# Altium PCB Printing2.PcbDoc (part 4 of 5)
Units mil, origin at the board's own origin, x right, y up, seen from the top; angles counter-clockwise.
Board outline 7550 x 7770 mil, 4 copper layers (Top Layer, 5v/3.3V, 24V, Bottom Layer), stack 23.756 mil thick; 443 components, 337 nets, 1388 pads, 513 vias.
Unrouted connection lines stored in the file: 148.
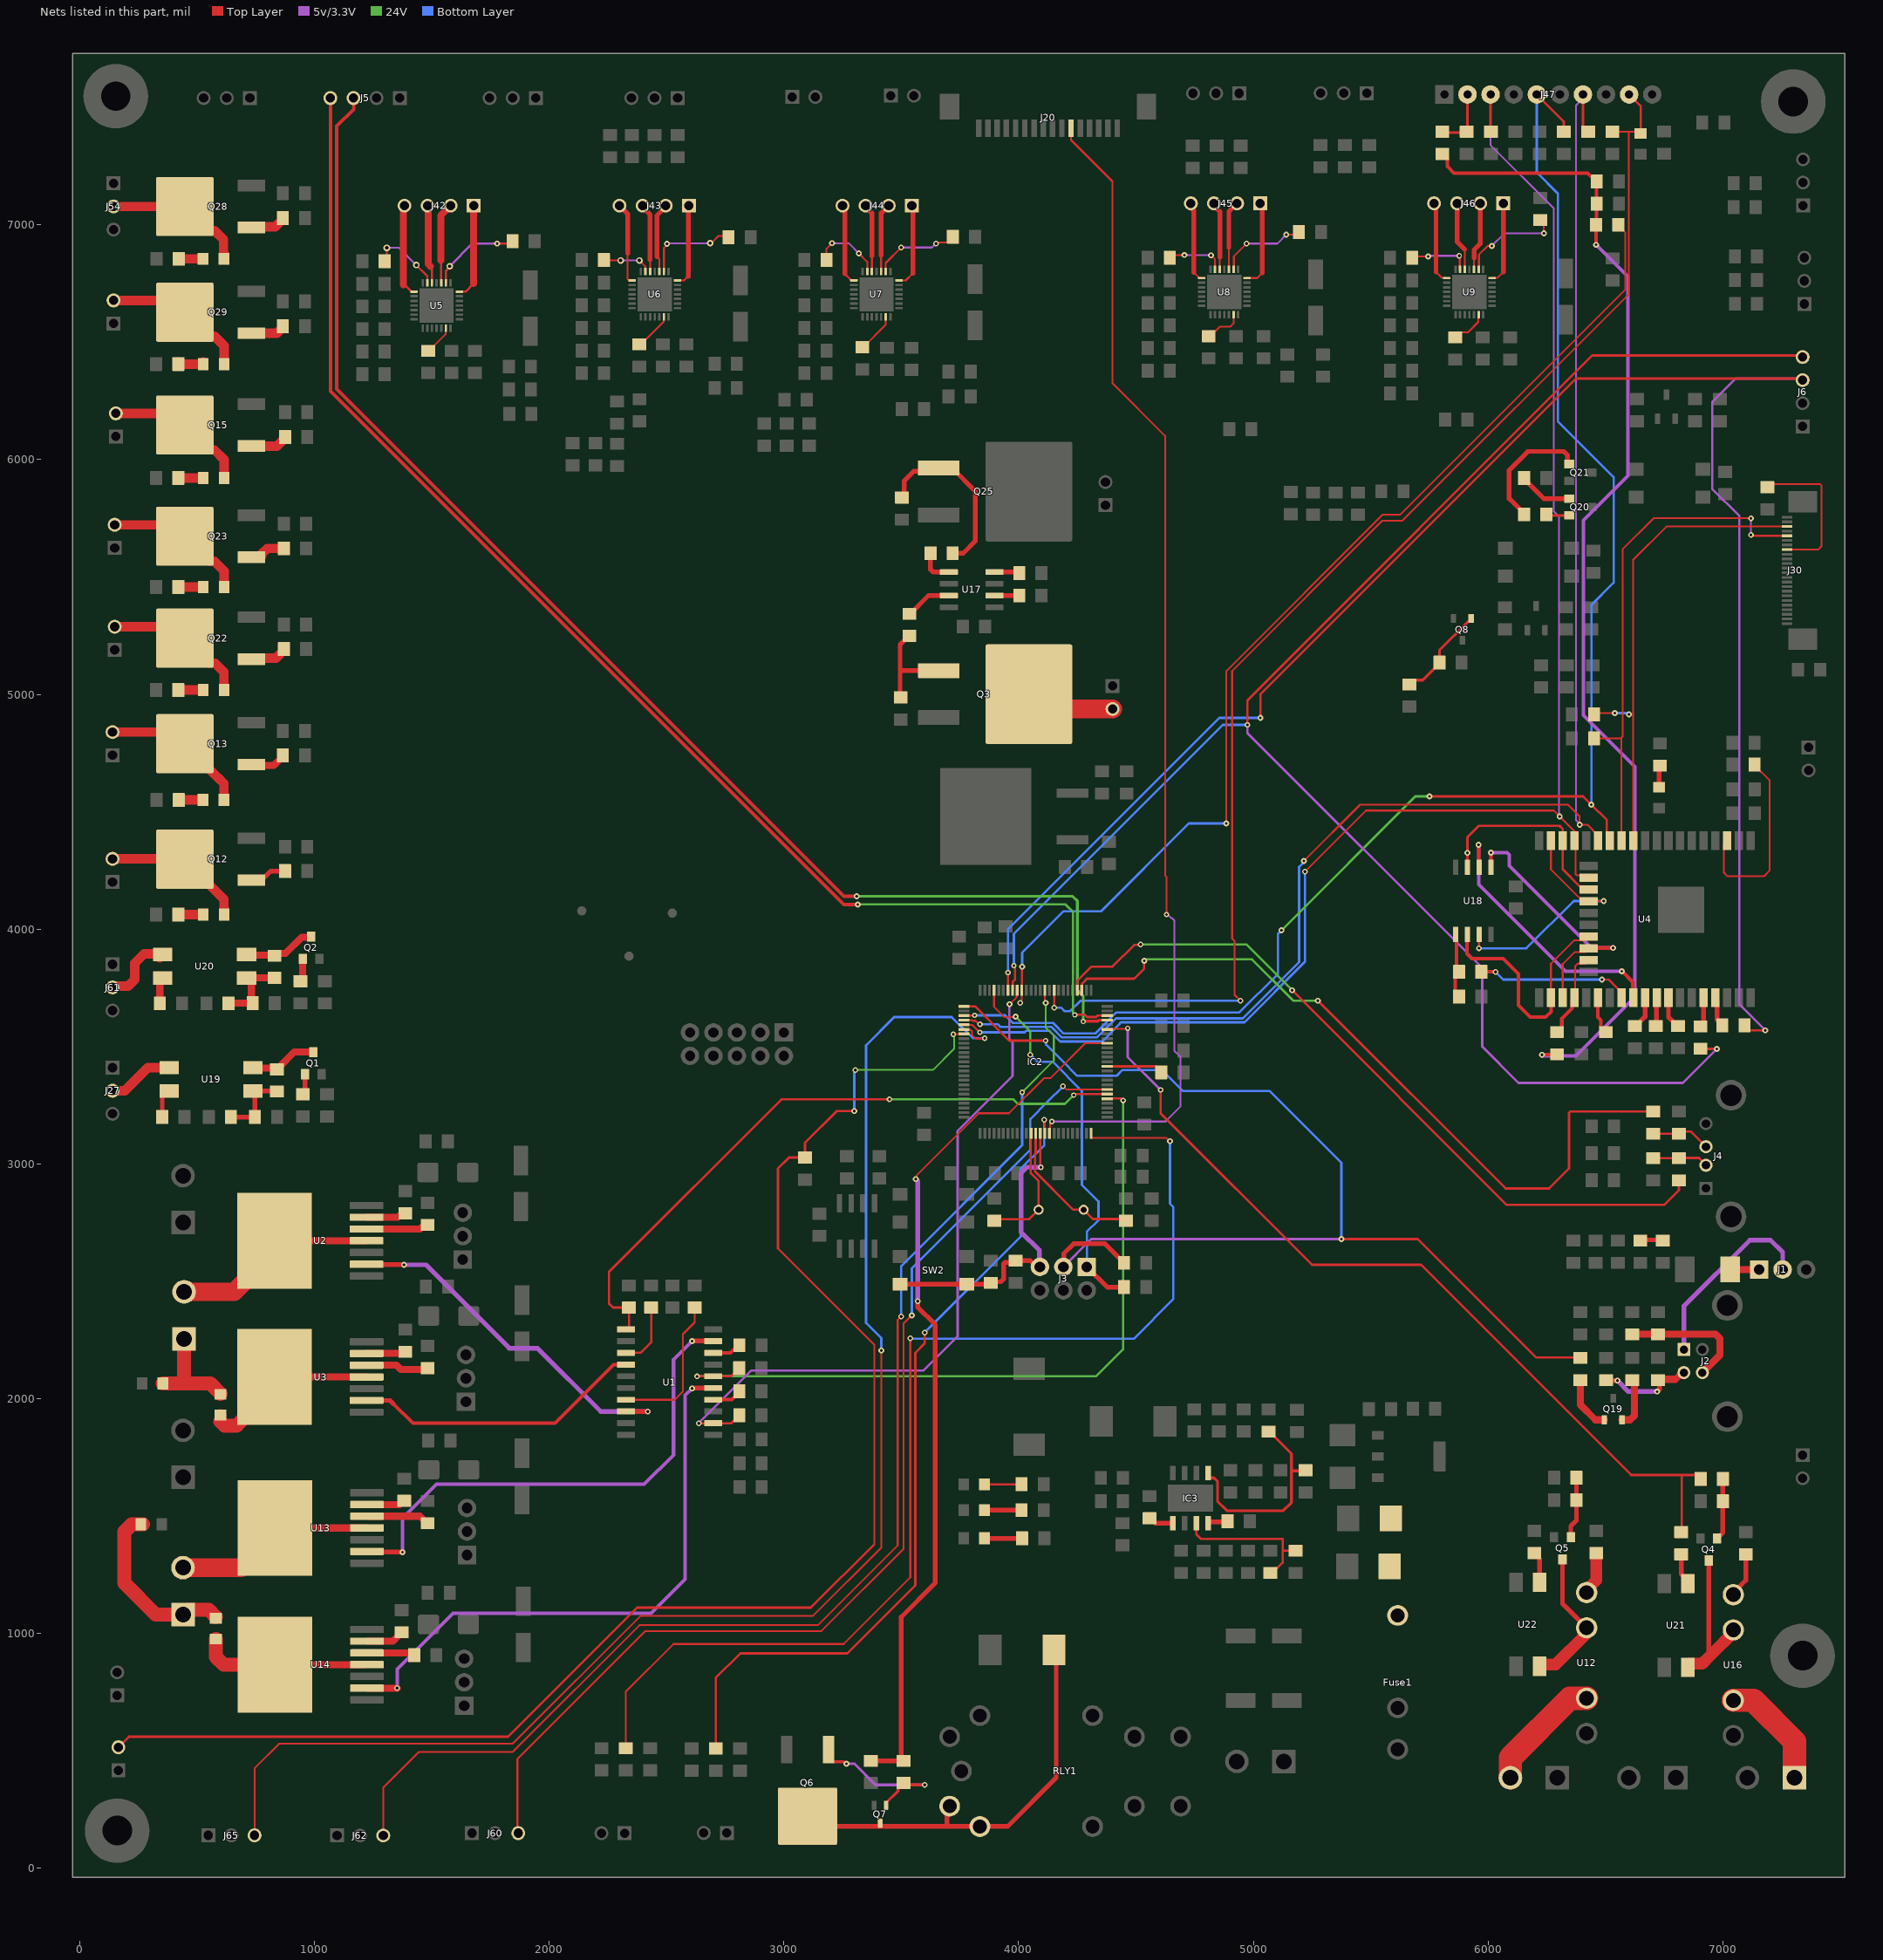
[diagram p6: the nets of this part, all layers, seen from the top]

## Via types
v1: diameter 25, hole 12, Top Layer to Bottom Layer, tented both sides, 396 vias
v2: diameter 23, hole 12, Top Layer to Bottom Layer, tented both sides, 76 vias
v3: diameter 19.68, hole 11.81, Top Layer to Bottom Layer, 15 vias
v4: diameter 25, hole 12, Top Layer to Bottom Layer, 12 vias
v5: diameter 28, hole 14, Top Layer to Bottom Layer, tented both sides, 8 vias
v6: diameter 22, hole 12, Top Layer to Bottom Layer, tented both sides, 4 vias
v7: diameter 23, hole 14, Top Layer to Bottom Layer, tented both sides, 1 vias
v8: diameter 24, hole 12, Top Layer to Bottom Layer, tented both sides, 1 vias

## Nets (pads, with @x,y where several pads share a name; then routed paths per layer and width w, separated by ;. In a path a pad name is that pad's centre, name@x,y a point inside that pad or via, vN(x,y) a via of type N, cw(c..) or ccw(c..) an arc to the next point about the centre after c; other vN are vias at no path point) (continued)
NetD7_A: D7.A Q6.TAB Q7.3 RLY1.2 | length 1828
  Top Layer w20: Q6.TAB@3100.79,221.54 3144.76,177.56 Q7.3@3410,177.56 ; Q7.3@3410,201.81 Q7.3@3410,177.56 ; RLY1.2@3706.11,264.3 3695,253.19 3695,177.56 ; D7.A@4150.83,930 4160,920.83 4160,384.57 3952.99,177.56 RLY1.2@3835,177.56 3695,177.56 ; Q7.3@3410,177.56 3695,177.56
NetD8_2: D8.2 D17.2 Fuse1.2
NetD9_A: D9.A R24.2 | length 84.7
  Top Layer w20: D9.A@6728.13,4604.01 6728.5,4604.38 6728.5,4684.14 R24.2@6728.87,4684.51 ; R24.2@6728.13,4689.47 R24.2@6732.07,4689.47
NetD14_A: D14.A R30.1 | length 158.5
  Top Layer w10: D14.A@3854.29,1635 R30.1@4012.76,1635
NetD15_A: D15.A R167.1 | length 158.5
  Top Layer w20: D15.A@3854.29,1525 R167.1@4012.76,1525
NetD16_A: D16.A R169.1 | length 160.7
  Top Layer w20: D16.A@3854.29,1405 R169.1@4015,1405
NetD18_A: D18.A R170.1 | length 106.5
  Top Layer w40: R170.1@420.24,4062 D18.A@526.71,4062
NetD18_K: D18.K J28.2 Q12.TAB | length 554.7
  Top Layer w40: J28.2@160.67,4297.64 163.03,4300 445.87,4300 Q12.TAB@448.01,4297.87 ; Q12.TAB@473.47,4268.47 615,4126.94 D18.K@615,4087.29 ; D18.K@615,4062 D18.K@615,4087.29 ; D18.K@615.29,4087 D18.K@615,4087.29
NetD19_A: D19.A R185.1 | length 103.5
  Top Layer w40: R185.1@422.24,4550 D19.A@525.71,4550
NetD19_K: D19.K J29.2 Q13.TAB | length 618.4
  Top Layer w40: J29.2@140,4839.21 398.56,4839.21 Q13.TAB@448.01,4789.77 448.01,4785.83 590.41,4643.43 591.57,4643.43 615,4620 615,4570.71 D19.K@614.29,4570
NetD20_A: D20.A R193.1 | length 106.5
  Top Layer w40: R193.1@420.24,5922 D20.A@526.71,5922
NetD20_K: D20.K J31.2 Q15.TAB | length 612.7
  Top Layer w40: J31.2@154.23,6196.76 398.41,6196.76 Q15.TAB@448.01,6147.17 448.01,6143.23 550.06,6041.18 573.82,6041.18 615.29,5999.71 D20.K@615.29,5932
NetD21_A: D21.A R194.1 | length 106.5
  Top Layer w40: R194.1@420.24,5018.35 D21.A@526.71,5018.35
NetD21_K: D21.K J32.2 Q22.TAB | length 601.3
  Top Layer w40: J32.2@172.66,5288.1 399.19,5288.1 Q22.TAB@448.01,5239.28 448.01,5235.35 550.06,5133.3 576.7,5133.3 615,5095 D21.K@615,5018.35
NetD22_A: D22.A R195.1 | length 103.5
  Top Layer w40: R195.1@422.24,6855 D22.A@525.71,6855
NetD22_K: D22.K J54.2 Q28.TAB | length 583.1
  Top Layer w40: J54.2@150,7078.18 Q28.TAB@448.01,7078.18 448.01,7077.05 550.06,6975 575,6975 612.65,6937.35 612.65,6879.64 D22.K@615.29,6877
NetD23_A: D23.A R196.1 | length 106.9
  Top Layer w40: R196.1@420.24,6417 R196.1@420.74,6416.5 ; R196.1@420.74,6406.5 D23.A@526.21,6406.5 ; D23.A@526.21,6416.5 D23.A@526.71,6416
NetD23_K: D23.K J52.2 Q29.TAB | length 620.3
  Top Layer w40: J52.2@144.23,6677.87 398.01,6677.87 Q29.TAB@448.01,6627.87 448.01,6627.05 550.06,6525 575,6525 615.29,6484.71 D23.K@615.29,6416
NetD24_A: D24.A R197.1 | length 106.5
  Top Layer w40: R197.1@420.24,5457 D24.A@526.71,5457
NetD24_K: D24.K J33.2 Q23.TAB | length 617.9
  Top Layer w40: J33.2@149.23,5722.24 399.19,5722.24 Q23.TAB@448.01,5673.42 448.01,5669.48 550.06,5567.43 572.57,5567.43 615.29,5524.71 D24.K@615.29,5457
NetF1_2: F1.2 J1.1 | length 125.7
  Top Layer w30: F1.2@7033.33,2551.67 F1.2@7031.65,2550 J1.1@7155,2550
NetJ1_2: J1.2 J2.1 | length 816.6
  5v/3.3V w20: J2.1@6834.26,2209.43 6834.26,2394.26 7115,2675 7203.28,2675 7255,2623.28 J1.2@7255,2550
NetJ11_2: J11.2 Q3.TAB | length 382.2
  Top Layer w80: Q3.TAB@4043.86,5000.6 4106.89,4937.57 J11.2@4400,4937.57
NetJ12_1: J12.1 U16.2 | length 487.5
  Top Layer w100: U16.2@7045,715 7130,715 7305,540 J12.1@7305,385
NetJ19_2: J19.2 U12.2 | length 515.2
  Top Layer w100: J19.2@6095,385 6095,470 6348.24,723.24 6419.24,723.24 U12.2@6420,724
NetJ20_10: 
NetJ27_2: J27.2 U19.3 | length 266.1
  Top Layer w40: J27.2@140,3311.57 191.57,3311.57 290,3410 360.12,3410 U19.3@363.82,3413.7
NetJ30_17: J30.17 R32.1 | length 656.4
  Top Layer w8: R32.1@7190,5872.24 7212.76,5895 7415.31,5895 7420,5890.31 7420,5630 7406.46,5616.46 J30.17@7273.76,5616.46
  Top Layer w10: R32.1@7188,5880.24 R32.1@7190,5882.24
NetJ42_1: J42.1 U5.21 | length 407.9
  Top Layer w10: U5.21@1617.09,6715.46 1644.54,6715.46 1678.9,6749.82
  Top Layer w30: 1678.9,6749.82 J42.1@1678.9,7081.72
NetJ42_2: J42.2 U5.24 | length 351.1
  Top Layer w10: 1539.41,6848.33 1540.31,6847.43 U5.24@1540.31,6752.86
  Top Layer w30: 1539.41,6848.33 1539.41,7040.65 J42.2@1583.88,7085.13
NetJ42_3: J42.3 U5.26 | length 344.6
  Top Layer w10: 1489.41,6828.33 1500.63,6817.11 1500.63,6753.17 U5.26@1500.94,6752.86
  Top Layer w30: J42.3@1482.05,7081.72 1484.41,7079.35 1484.41,6833.33 1495.02,6822.72
NetJ42_4: J42.4 U5.1 | length 395.6
  Top Layer w10: 1379.41,6744.79 1384.21,6744.79 1413.54,6715.46 U5.1@1424.17,6715.46
  Top Layer w30: 1379.41,6744.79 1379.41,7077.5 J42.4@1383.62,7081.72
NetJ43_1: J43.1 U6.21 | length 355.1
  Top Layer w8: U6.21@2546.3,6763.21 2574.29,6763.21 2592.41,6781.33
  Top Layer w20: 2592.41,6781.33 2592.41,7079.01 J43.1@2595.12,7081.72
NetJ43_2: J43.2 U6.24 | length 300.9
  Top Layer w8: 2459.41,6863.33 2469.53,6853.21 U6.24@2469.53,6800.61 U6.24@2469.41,6800.73 ; J43.2@2496.69,7077.1 J43.2@2496.69,7081.72
  Top Layer w20: 2459.41,6863.33 2459.41,7039.81 J43.2@2496.69,7077.1
NetJ43_3: J43.3 U6.26 | length 294.3
  Top Layer w8: U6.26@2430.16,6800.61 2430.16,6851.33
  Top Layer w20: J43.3@2398.27,7081.72 2398.27,7075.05 2430.16,7043.16 2430.16,6851.33
NetJ43_4: J43.4 U6.1 | length 348.3
  Top Layer w8: 2334.41,6879.33 2334.41,6769.21 2339.1,6764.53 2352.07,6764.53 U6.1@2353.39,6763.21
  Top Layer w20: J43.4@2299.84,7081.72 2334.41,7047.15 2334.41,6879.33
NetJ44_1: J44.1 U7.21 | length 361
  Top Layer w8: U7.21@3491.1,6763.21 3519.29,6763.21 3549.41,6793.33 ; J44.1@3545.04,7081.72 J44.1@3549.41,7077.35
  Top Layer w20: 3549.41,6793.33 J44.1@3549.41,7077.35
NetJ44_2: J44.2 U7.24 | length 294.5
  Top Layer w8: U7.24@3414.33,6800.61 3414.33,6870.33
  Top Layer w20: 3414.33,6870.33 3414.33,7049.43 J44.2@3446.61,7081.72
NetJ44_3: J44.3 U7.26 | length 292.2
  Top Layer w8: U7.26@3374.96,6800.61 3374.96,6868.33
  Top Layer w20: J44.3@3348.19,7081.72 3348.19,7076.31 3374.96,7049.54 3374.96,6868.33
NetJ44_4: J44.4 U7.1 | length 344.8
  Top Layer w8: J44.4@3249.76,7081.72 J44.4@3259.41,7072.07 ; 3259.41,6791.36 3287.56,6763.21 U7.1@3298.19,6763.21
  Top Layer w20: 3259.41,6791.36 J44.4@3259.41,7072.07
NetJ45_1: J45.1 U8.21 | length 375
  Top Layer w8: U8.21@4972.8,6773.21 5016.29,6773.21 5038.41,6795.33 ; J45.1@5029.09,7091.72 J45.1@5038.41,7082.4
  Top Layer w20: 5038.41,6795.33 J45.1@5038.41,7082.4
NetJ45_2: J45.2 U8.24 | length 295.5
  Top Layer w8: U8.24@4896.02,6810.61 4896.02,6902.33
  Top Layer w20: 4896.02,6902.33 4896.02,7057.07 J45.2@4930.67,7091.72
NetJ45_3: J45.3 U8.26 | length 291.8
  Top Layer w8: U8.26@4856.65,6810.61 4857.41,6811.37 4857.41,6862.33
  Top Layer w20: J45.3@4832.24,7091.72 4832.24,7081.58 4857.41,7056.42 4857.41,6862.33
NetJ45_4: J45.4 U8.1 | length 347.5
  Top Layer w8: J45.4@4733.82,7091.72 J45.4@4745.78,7079.75 ; 4745.78,6796.96 4767.94,6774.8 4767.94,6774.53 4769.25,6773.21 U8.1@4779.88,6773.21
  Top Layer w20: 4745.78,6796.96 4745.78,7060.32 4741.35,7064.75 4741.35,7075.32 J45.4@4745.78,7079.75
NetJ46_1: J46.1 U9.21 | length 351.5
  Top Layer w8: U9.21@6016.89,6773.21 6017.43,6773.76 6039.83,6773.76 6064.92,6798.84
  Top Layer w20: 6064.92,6798.84 J46.1@6064.92,7091.72
NetJ46_2: J46.2 U9.24 | length 292
  Top Layer w8: U9.24@5940.12,6810.61 5940.12,6859.33
  Top Layer w20: 5940.12,6859.33 5940.12,6893.04 5966.5,6919.42 J46.2@5966.5,7091.72
NetJ46_3: J46.3 U9.26 | length 294.6
  Top Layer w8: U9.26@5900.75,6810.61 5900.75,6894.99
  Top Layer w20: J46.3@5868.07,7091.72 5868.07,6927.67 5900.75,6894.99
NetJ46_4: J46.4 U9.1 | length 352.4
  Top Layer w8: J46.4@5769.65,7091.72 J46.4@5778.41,7082.95 ; 5778.41,6799.33 5803.53,6774.21 5822.97,6774.21 U9.1@5823.98,6773.21
  Top Layer w20: 5778.41,6799.33 J46.4@5778.41,7082.95
NetJ47_2: J47.2 R29.1 R175.2 | length 267.3
  Top Layer w8: R29.1@5908.61,7392.68 R29.1@5912.16,7396.22
  Top Layer w10: R175.2@5805.35,7392.68 R29.1@5908.61,7392.68 ; R29.1@5912.16,7396.22 J47.2@5912.16,7555.28
NetJ61_2: J61.2 U20.3 | length 347.3
  Top Layer w40: J61.2@140,3751.57 145.62,3757.19 207.19,3757.19 235,3785 235,3855 275,3895 350.6,3895 U20.3@353.83,3891.77 U20.3@340.49,3878.42 ; U20.3@330.37,3891.77 U20.3@343.17,3891.77
NetL2_2: L2.2 R13.1 | length 105.9
  Top Layer w20: R13.1@6638.04,2675.96 L2.2@6743.94,2675.96
NetP2_1: P2.1 SB1.1 SB2.2 | length 455.7
  Top Layer w50: SB1.1@600,2019.29 SB1.1@600,2021.06
  Top Layer w60: SB2.2@354.29,2065 445,2065 ; P2.1@445,2255 445,2065 ; SB1.1@600,2021.06 556.06,2065 445,2065
NetP2_2: P2.2 U2.4 U2.8 | length 1088.1
  Top Layer w30: U2.8@829.79,2672.68 U2.4@1221.91,2672.68
  Top Layer w40: U2.8@732.01,2529.04 738.23,2535.26 829.79,2626.82 U2.8@829.79,2672.68
  Top Layer w50: U2.8@721.52,2518.55 U2.8@721.52,2551.98
  Top Layer w78.74: P2.2@435,2455 657.97,2455 U2.8@721.52,2518.55
  Top Layer w100: U2.8@721.52,2551.98 829.79,2660.24 U2.8@829.79,2672.68
NetP5_1: P5.1 SB3.1 SB4.2 | length 773.5
  Top Layer w50: P5.1@440,1080 P5.1@460,1100 ; SB3.1@580,1064.29 SB3.1@580,1070.71
  Top Layer w60: SB4.2@270,1464.41 221.77,1464.41 190.12,1432.76 190.12,1214.88 325,1080 P5.1@430,1080 ; P5.1@460,1100 550.71,1100 SB3.1@580,1070.71
NetP5_2: P5.2 U13.4 U13.8 | length 869
  Top Layer w30: U13.8@688.49,1280 831.76,1423.27 U13.8@831.76,1449.06 U13.4@1223.88,1449.06
  Top Layer w78.74: P5.2@440,1280 U13.8@688.49,1280
NetQ1_1: Q1.1 R62.2 | length 89.8
  Top Layer w20: R62.2@950.84,3296.01 960.57,3305.73 Q1.1@960.57,3381.76
NetQ1_3: Q1.3 R157.2 U19.2 | length 319.2
  Top Layer w30: U19.2@721.32,3413.7 726.82,3408.2 R157.2@849.65,3408.2 ; R157.2@840.21,3402.7 844.15,3402.7 854.74,3413.29 854.74,3417.23 913.76,3476.24 Q1.3@996,3476.24
NetQ2_1: Q2.1 R133.2 | length 103.7
  Top Layer w30: R133.2@925.45,3778.01 R133.2@929.39,3778.01 ; R133.2@940.84,3778.01 950.57,3787.73 Q2.1@950.57,3873.76
NetQ2_3: Q2.3 R158.2 U20.2 | length 301.1
  Top Layer w30: U20.2@700.65,3891.77 703.19,3889.22 R158.2@811.09,3889.22 ; R158.2@830.21,3886.67 840.8,3897.26 877.26,3897.26 945.88,3965.88 983.63,3965.88 Q2.3@986,3968.24
NetQ3_1: Q3.1 R27.2 R31.2 | length 436.6
  Top Layer w20: R31.2@3498,4987.24 3495,4990.24 3495,5212.69 3531.06,5248.76 R27.2@3535,5248.76 ; 3505,5101 Q3.1@3660,5101
NetQ4_1: Q4.1 R176.2 R177.1 | length 265.2
  Top Layer w20: Q4.1@6976,1405 6976,1408.94 6983.72,1416.65 6987.65,1416.65 7000.24,1429.24 R177.1@7000.24,1562 ; R177.1@7000.24,1563 6999.24,1564 6999.24,1657 R176.2@7000.24,1658
NetQ4_3: Q4.3 U16.3 U21.4 | length 692.7
  Top Layer w20: 6940.57,901.57 Q4.3@6940.57,1310.51
  Top Layer w50: U21.4@6851,855.26 6851,867.06 6854.35,870.41 6911.41,870.41 6941.57,900.57 U16.3@7060,1019
NetQ5_1: Q5.1 R189.2 R190.1 | length 234.9
  Top Layer w20: Q5.1@6352.43,1410 6352.43,1457.43 6376.24,1481.24 6376.24,1540 R189.2@6376.24,1635
NetQ5_3: Q5.3 U12.3 U22.4 | length 612.9
  Top Layer w20: Q5.3@6317,1315.51 6317,1127 6412.24,1031.76 U12.3@6412.24,1016.24
  Top Layer w50: U22.4@6219,860.26 6219,864.06 6222.35,867.41 6287.41,867.41 6412.24,992.24 U12.3@6412.24,1016.24
NetQ6_1: Q6.1 Q7.1 R123.2 | length 699.4
  Top Layer w12: Q6.1@3190,505 3190,471.78 3208.61,453.18 3254.88,453.18 3263.06,445 v1(3266.57,445) ; Q7.1@3435.59,277.83 3486.47,328.72 3486.47,343.17 3506.06,362.76 3513.82,355 v1(3600,355)
  5v/3.3V w12: v1@3270,445 3300,445 3390,355 v1(3600,355)
NetQ8_1: Q8.1 R85.2 R86.2 | length 415.7
  Top Layer w12: R86.2@5665,5042.24 5683.31,5060.56 5722.25,5060.56 5792.76,5131.06 R85.2@5792.76,5135 5792.76,5187.76 5914.82,5309.82 5921.59,5309.82 5927.4,5315.63 Q8.1@5927.4,5322.52
NetQ12_1: Q12.1 R63.2 | length 156.9
  Top Layer w20: Q12.1@720.53,4208.65 Q12.1@741.47,4208.65 ; Q12.1@765.92,4223.26 Q12.1@780.53,4208.65 ; Q12.1@775.92,4208.65 814.35,4247.08 R63.2@875.33,4247.08
NetQ13_1: Q13.1 R64.2 | length 155.2
  Top Layer w30: Q13.1@731.47,4700.55 735.03,4697 826.91,4697 865.33,4735.43 R64.2@865.33,4739.36
NetQ15_1: Q15.1 R70.2 | length 152.7
  Top Layer w40: Q15.1@741.47,6057.96 742.43,6057 840.29,6057 875.33,6092.04 R70.2@875.33,6095.98
NetQ19_1: Q19.1 R4.2 | length 234
  Top Layer w30: R4.2@6393,2078.76 6393,1974 6457.26,1909.74 Q19.1@6495.6,1909.74
NetQ19_2: Q19.2 R5.2 | length 214.3
  Top Layer w30: Q19.2@6570.4,1909.74 6605.43,1909.74 6623,1927.31 6623,2078.03 R5.2@6620.35,2080.69
NetQ20_1: Q20.1 R135.2 | length 231.3
  Top Layer w20: R135.2@6153.54,5921.87 6153.54,5917.94 6238.58,5832.9 Q20.1@6345.67,5832.9
NetQ21_1: Q21.1 R137.2 | length 544.2
  Top Layer w20: R137.2@6153.62,5766.28 6153.62,5770.22 6090,5833.84 6090,5955 6170,6035 6322.15,6035 6338.61,6018.54 6338.61,5987.99 Q21.1@6345.67,5980.93
NetQ22_1: Q22.1 R71.2 | length 153.9
  Top Layer w40: Q22.1@736.47,5150.07 741.08,5154.68 836.12,5154.68 870.33,5188.89 R71.2@870.33,5192.83
NetQ23_1: Q23.1 R72.2 | length 154.7
  Top Layer w40: Q23.1@736.47,5584.2 770.92,5584.2 775.53,5588.81 775.53,5598.02 798.96,5621.45 R72.2@870.33,5621.45
NetQ25_1: Q25.1 R164.2 R168.2 | length 771.4
  Top Layer w20: R168.2@3512,5835 3512,5909 3552.82,5949.82 3645.78,5949.82 Q25.1@3660,5964.03 3717.09,5964.03 3815,5866.12 3815,5652 3764,5601 R164.2@3719.24,5601
NetQ28_1: Q28.1 R161.2 | length 152.4
  Top Layer w40: Q28.1@731.47,6988.97 734.5,6992 833.09,6992 865.33,7024.24 R161.2@865.33,7028.18
NetQ29_1: Q29.1 R159.2 | length 148.2
  Top Layer w40: Q29.1@731.47,6538.65 840.29,6538.65 865.33,6563.69 R159.2@865.33,6567.63
NetR3_1: IC2.37 R3.1 | length 242.8
  Top Layer w10: IC2.37@4377.73,3415.3 4586.39,3415.3 4607.76,3393.94 R3.1@4607.76,3390
NetR22_2: R22.2 U17.2 | length 105.3
  Top Layer w20: U17.2@3897.44,5421 R22.2@4002.76,5421
NetR23_2: R23.2 U17.4 | length 97.8
  Top Layer w20: U17.4@3914.12,5521 3997.76,5521 R23.2@4007.76,5511
NetR34_1: IC3.3 R34.1 R120.2 | length 652
  Top Layer w10: IC3.3@4756.99,1473.84 4756.99,1423.01 4777.5,1402.5 5125,1402.5 ; R34.1@5072.5,1258.01 5093.09,1278.6 5102.1,1278.6 5125,1301.5 5125,1350.75 ; 5125,1400 5125,1350.75 ; R120.2@5180,1352.24 5126.49,1352.24 5125,1350.75
NetR35_1: R35.1 U19.4 | length 119.2
  Top Layer w20: R35.1@351.63,3199.55 351.63,3301.5 U19.4@363.83,3313.7
NetR36_1: IC3.5 R36.1 R122.2 | length 899.8
  Top Layer w12: IC3.5@4807.5,1682.5 4807.5,1668.31 4813.31,1662.5 4832.5,1662.5 4847.5,1647.5 4847.5,1562.5 4887.5,1522.5 5127.5,1522.5 5162.5,1557.5 5162.5,1692.5 ; R36.1@5064.67,1859.67 5068.6,1859.67 5162.5,1765.77 5162.5,1692.5 ; R122.2@5222.5,1694.74 5220.26,1692.5 5162.5,1692.5
NetR37_1: R37.1 U20.4 | length 112.9
  Top Layer w30: R37.1@341.63,3683.91 341.63,3779.56 U20.4@353.83,3791.77
NetR38_2: R38.2 R65.2 R157.1 U19.1 | length 334.2
  Top Layer w20: R38.2@644.54,3199.55 R65.2@746.91,3199.55 746.91,3295.36 731.31,3310.96 837.47,3310.96 R157.1@840.21,3308.21 ; U19.1@745.98,3310 U19.1@748.73,3307.25
NetR39_2: R39.2 R69.2 R158.1 U20.1 | length 312.4
  Top Layer w30: R39.2@634.54,3683.91 634.74,3684.11 726.31,3684.11 726.51,3684.31 R69.2@736.91,3684.31 731.71,3689.5 731.71,3778.42 718.36,3791.77 U20.1@711.32,3791.77 ; U20.1@726,3791.97 813.43,3791.97 R158.1@813.64,3792.18
NetR45_2: R45.2 U2.6 | length 172.4
  Top Layer w30: U2.6@1221.91,2772.68 1355.17,2772.68 1361.62,2779.14 1376.68,2779.14 R45.2@1387.27,2789.73
NetR54_2: R54.2 U4.35 | length 212.4
  Top Layer w8: R54.2@6975,3616.69 6997.76,3593.94 R54.2@6997.76,3590 7000.84,3590 7001.81,3605.53 ccw(c6980.86,3606.9) 7001.85,3606.2 R54.2@6975,3616.69
  Top Layer w20: U4.35@6968.41,3707.7 6969.14,3706.97 cw(c6955,3692.83) 6975,3692.83 6975,3621.04 ccw(c6995,3621.04) 6980.86,3606.9 R54.2@6997.76,3590
NetR55_1: R55.1 U4.27 | length 658.1
  Top Layer w8: v1(6485,3785) 6513.75,3785 6547.13,3751.63 6547.13,3750.64 6567.91,3729.85 U4.27@6567.91,3705.79
  Top Layer w15: R55.1@5970.96,3817.87 v1(6031.72,3817.87)
  Bottom Layer w10: v1(6031.72,3817.87) 6064.58,3785 v1(6485,3785)
NetR56_2: R56.2 U4.34 | length 128.3
  Top Layer w8: R56.2@6905,3585 R56.2@6918.41,3598.41
  Top Layer w20: R56.2@6918.41,3598.41 U4.34@6918.41,3707.7
NetR90_2: R90.2 U5.13 | length 130.2